# Altium PCB Cavend.PcbDoc
Units mm, origin at the board's own origin, x right, y up, seen from the top; angles counter-clockwise.
Board outline 40.25 x 38.39 mm, 2 copper layers (Top Layer, Bottom Layer); 37 components, 65 nets, 236 pads, 68 vias.
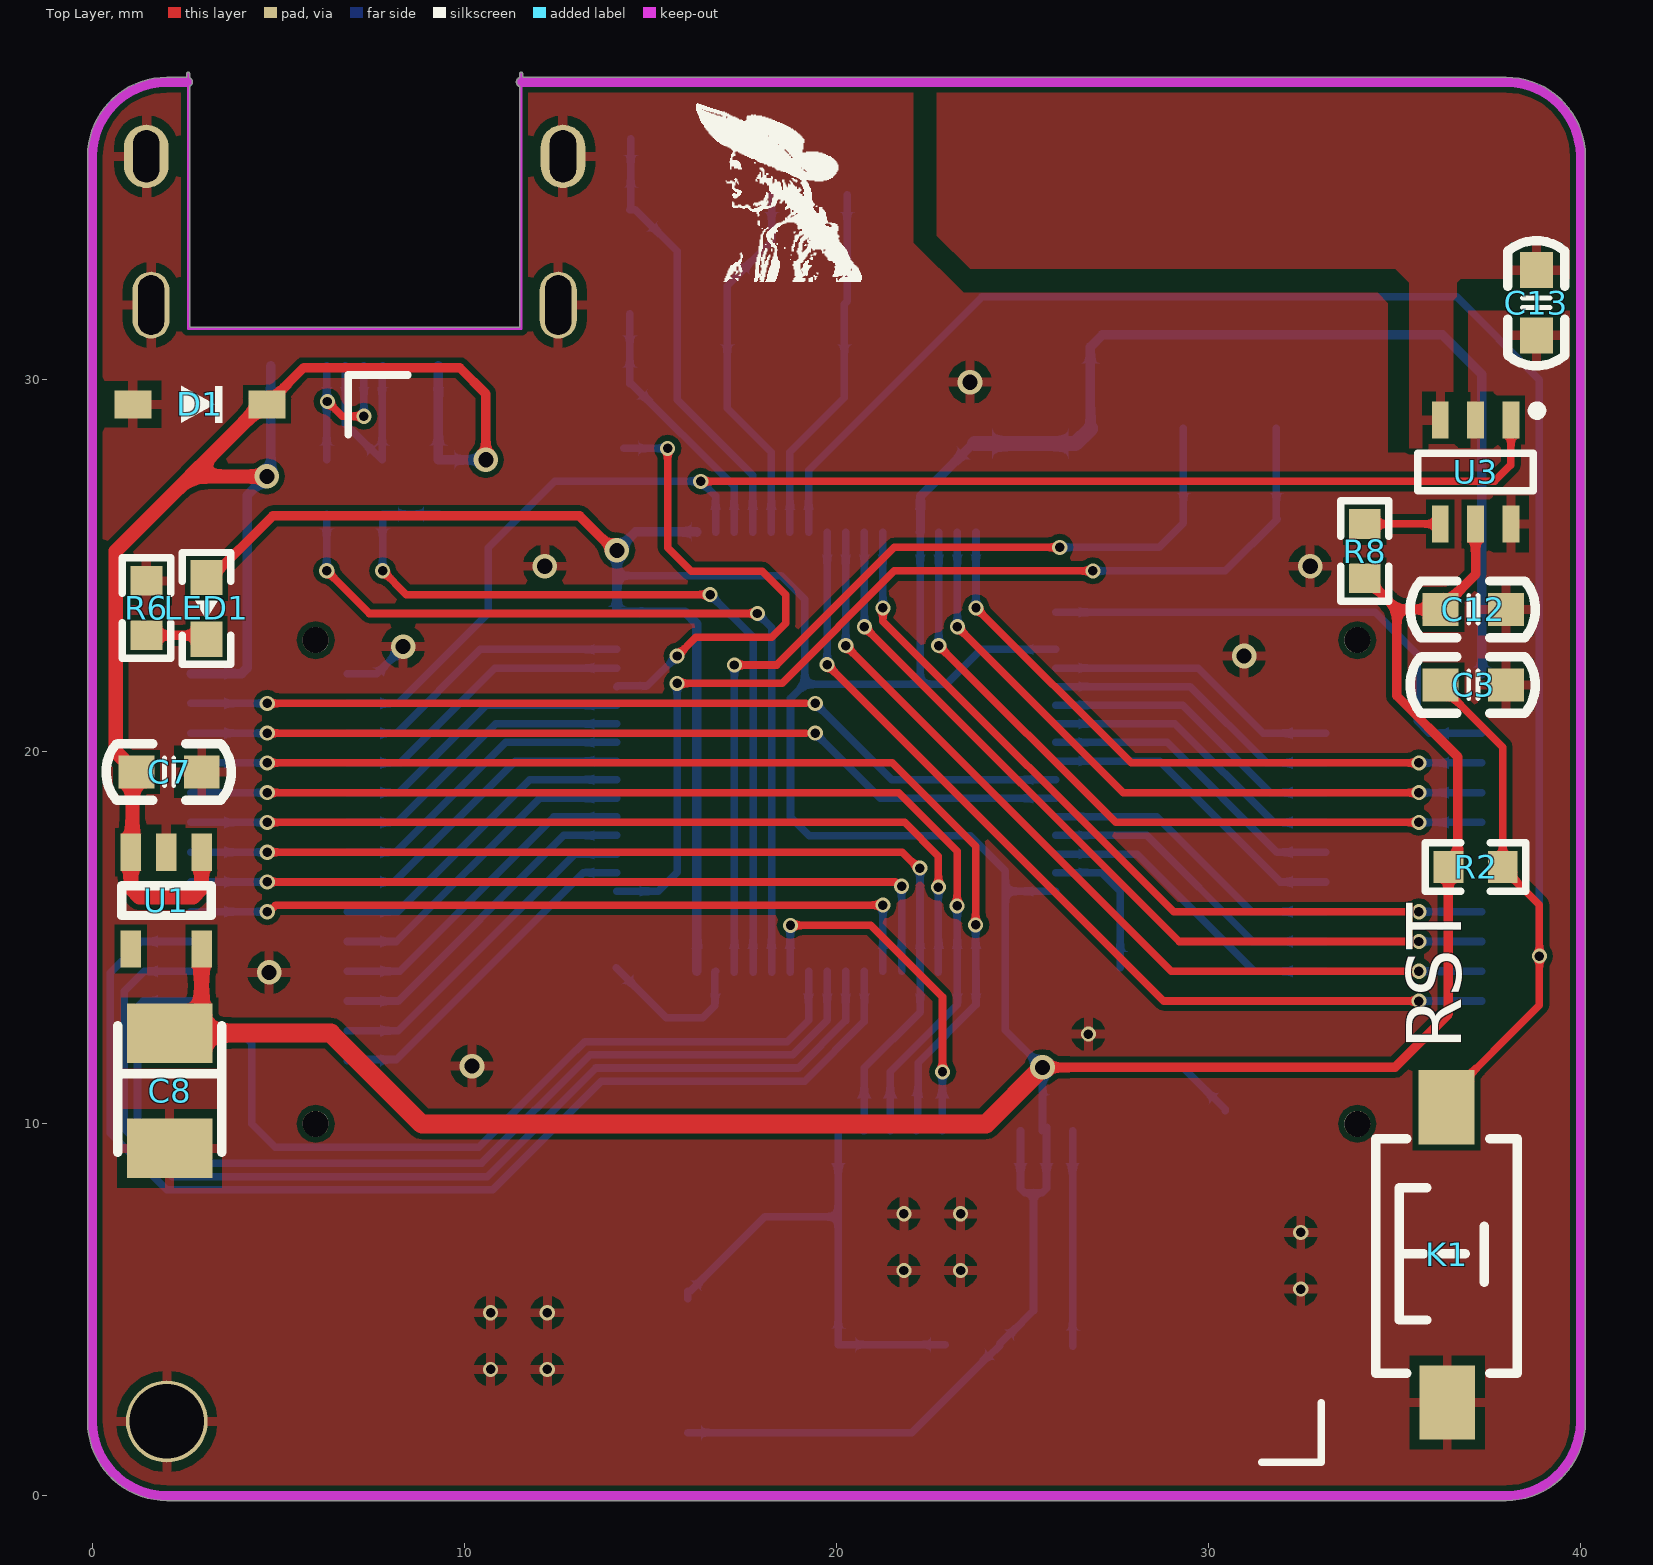
[diagram p0: Top Layer view]
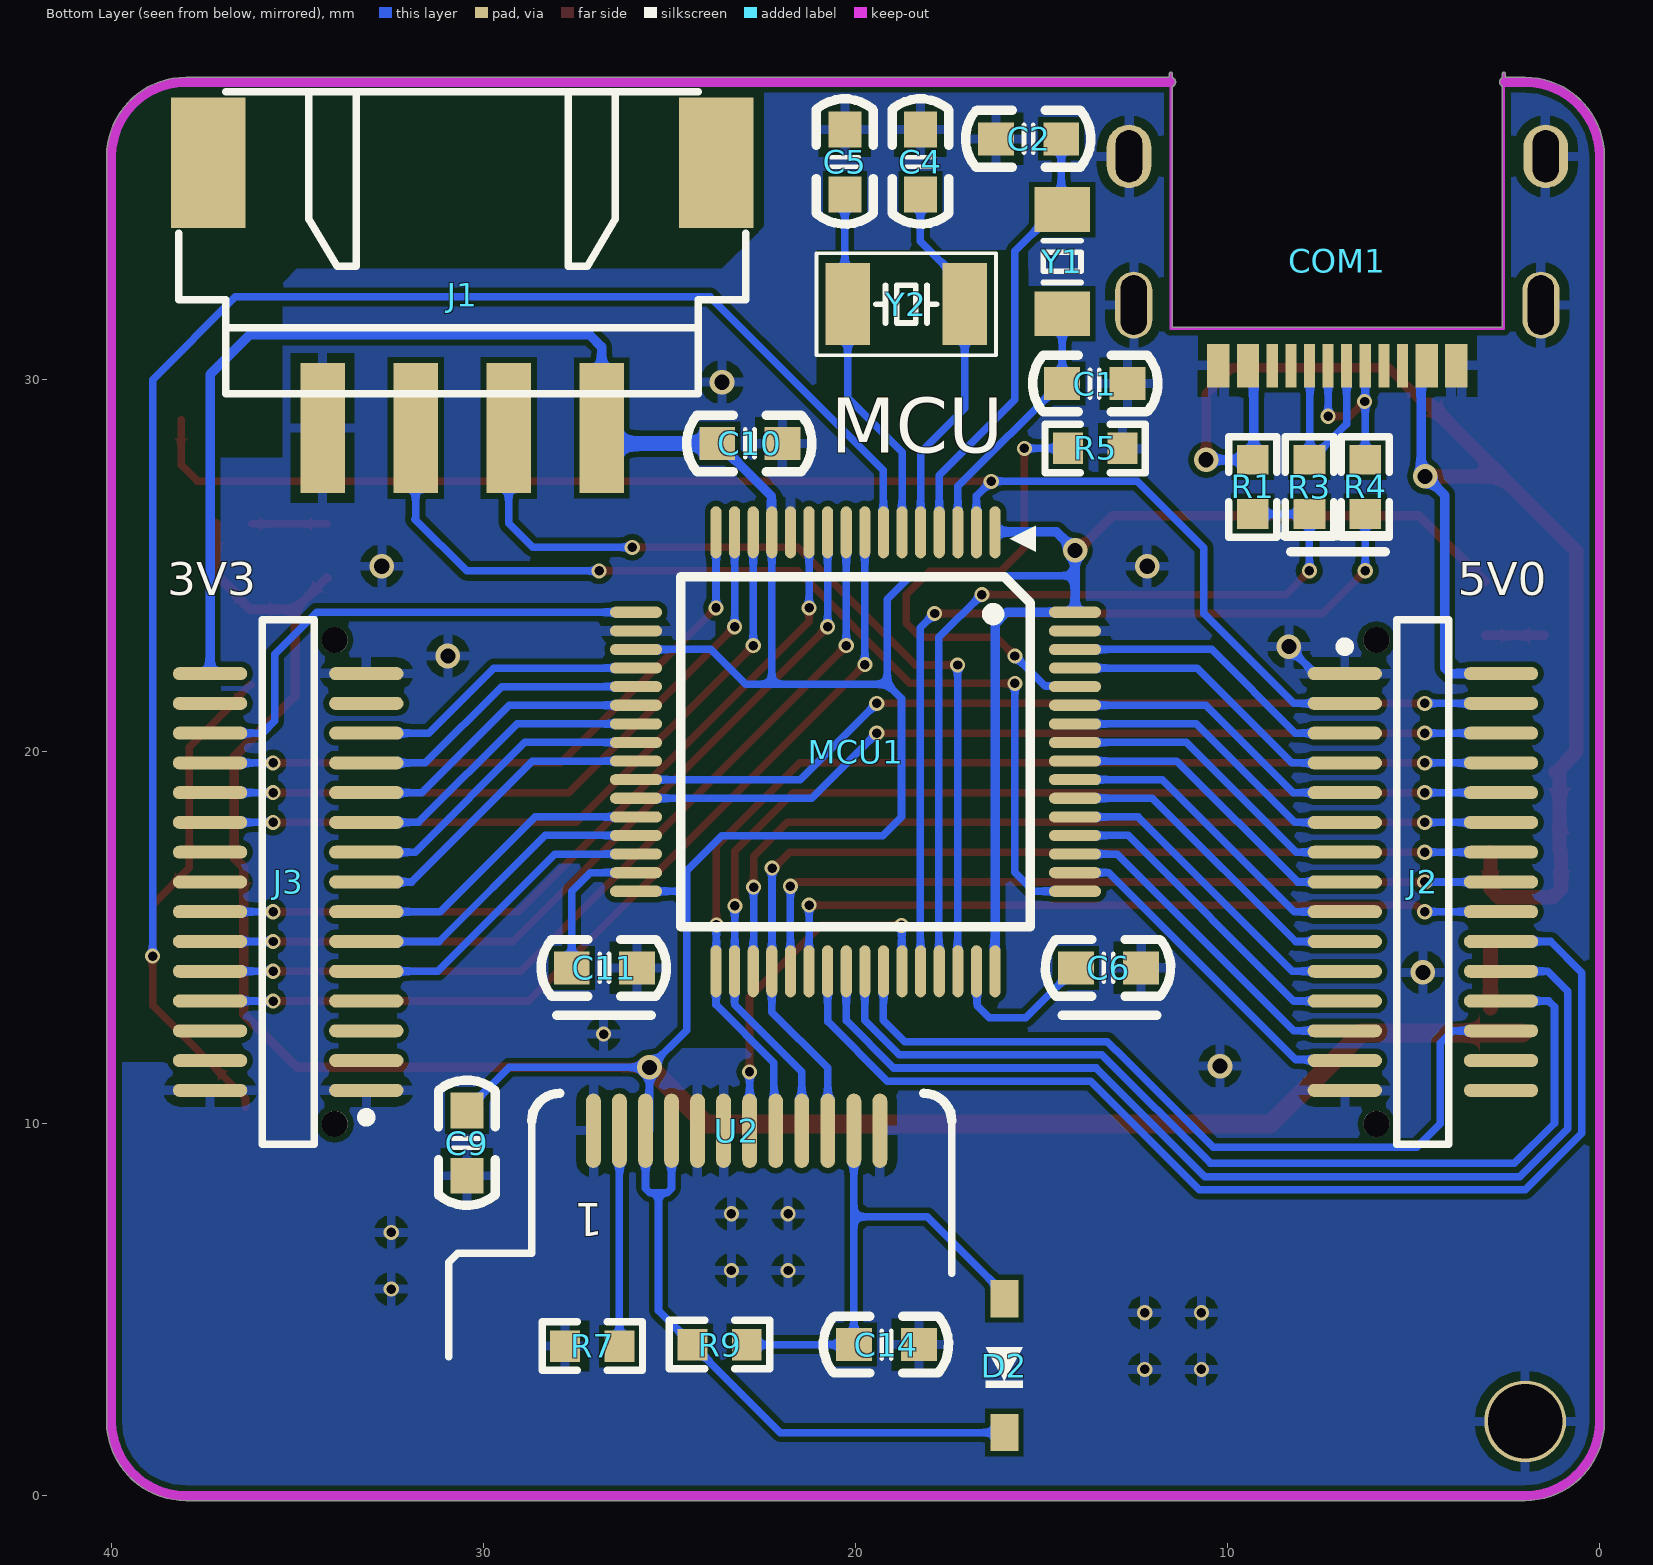
[diagram p1: Bottom Layer view, seen from below]
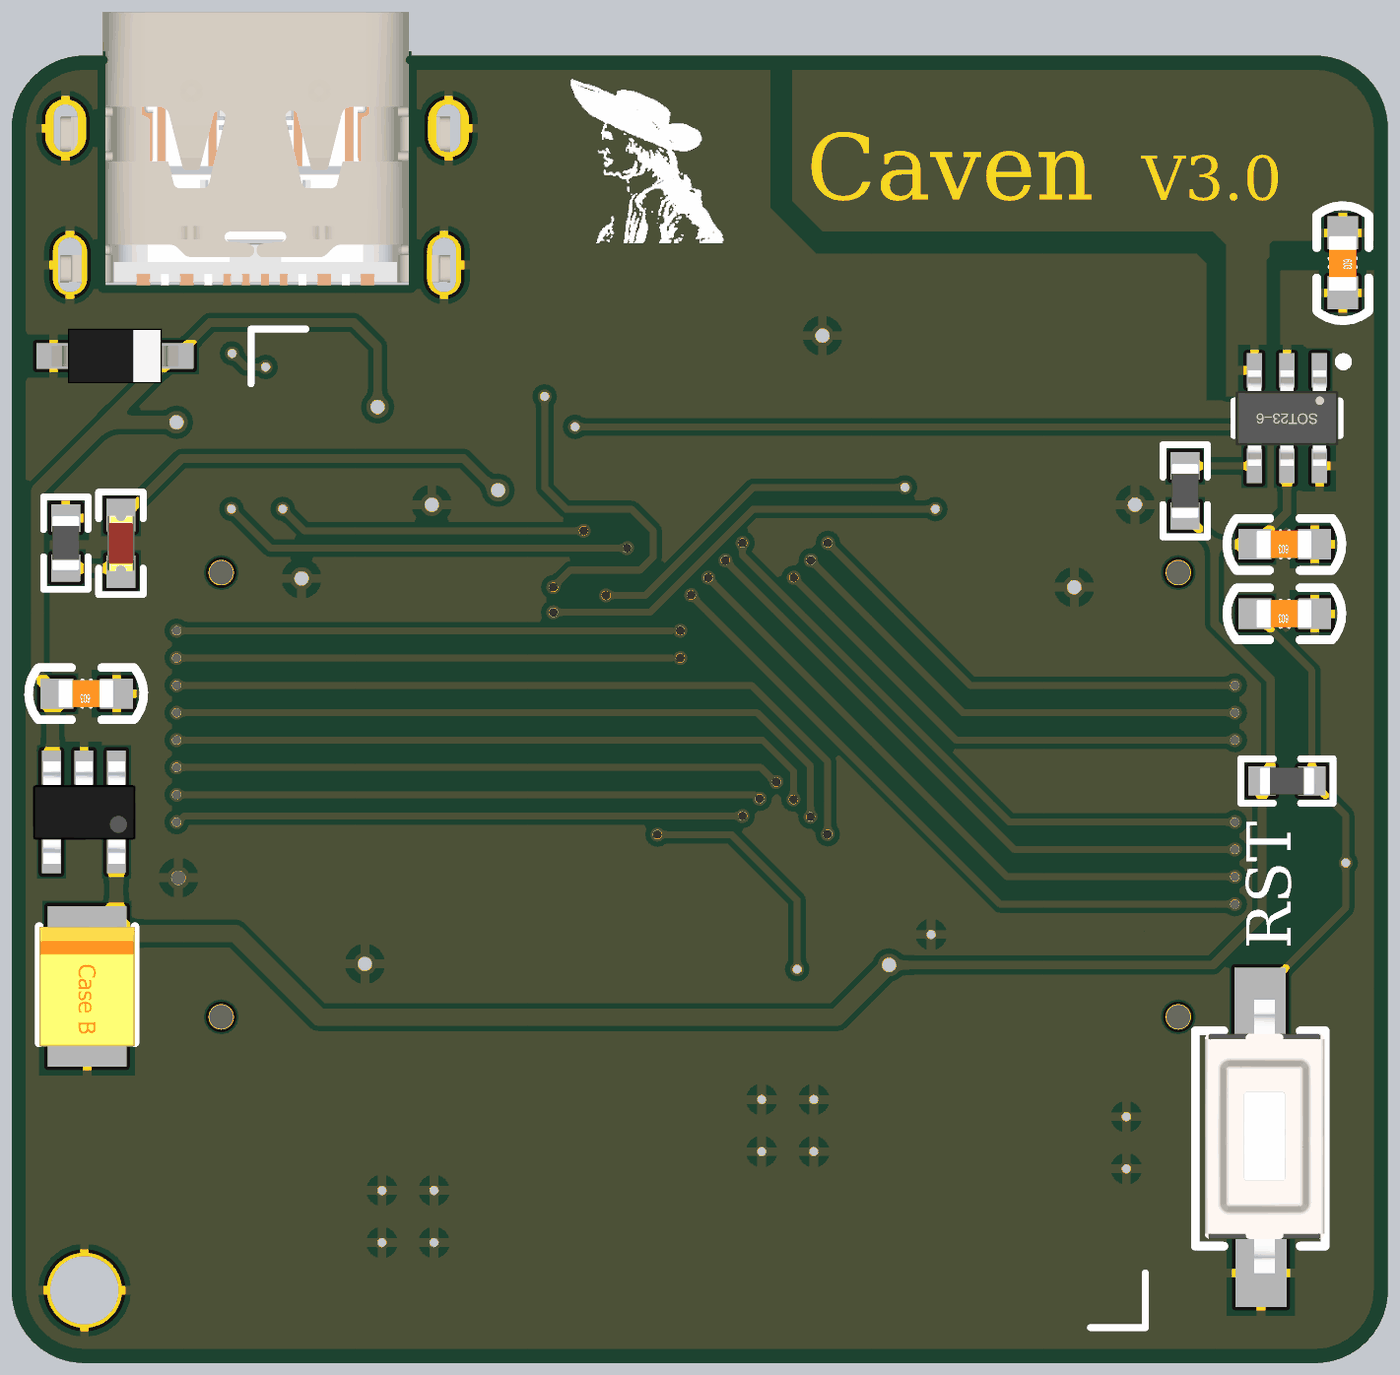
[diagram p2: 3D render of the assembled board from above, using the file's embedded part models]
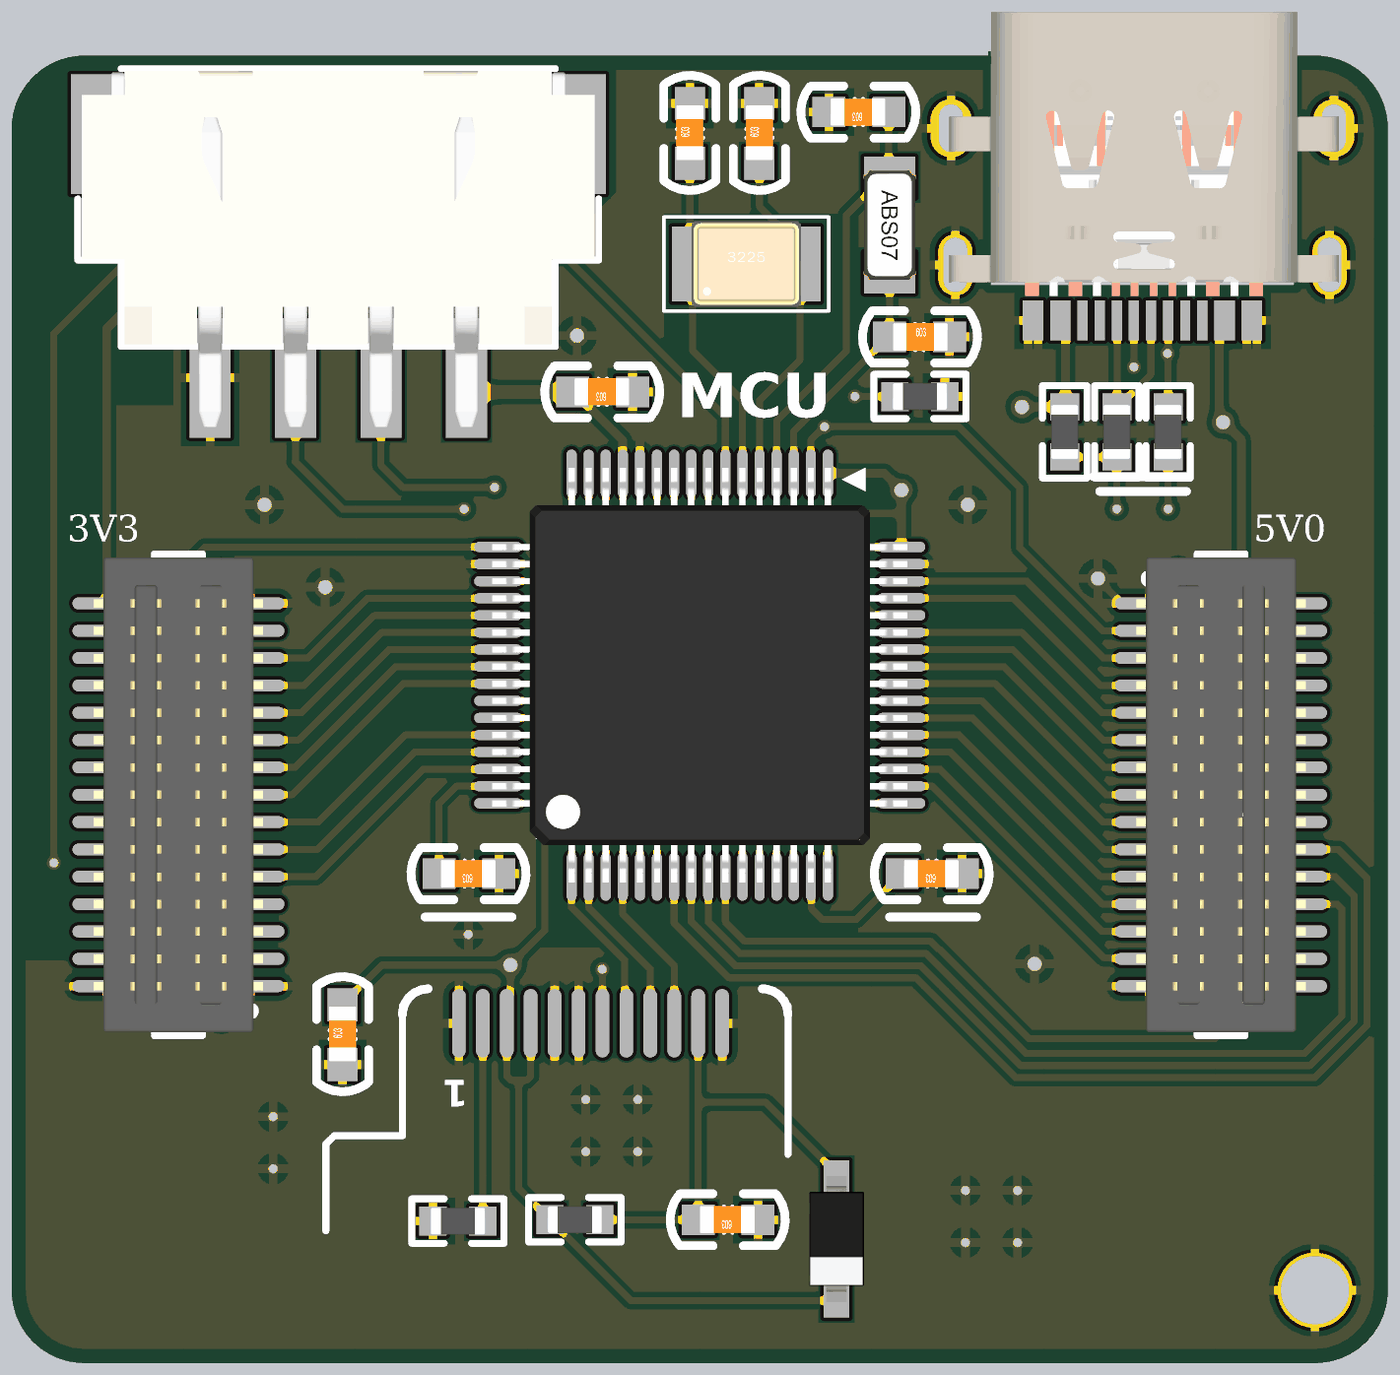
[diagram p3: 3D render of the assembled board from below, using the file's embedded part models]

## Layer stack, top to bottom
Top Solder: solder mask 0.0102, Solder Resist, Dk 3.5
Top Layer: signal copper 0.0356
Dielectric 1: dielectric 0.32, FR-4, Dk 4.8
Bottom Layer: signal copper 0.0356
Bottom Solder: solder mask 0.0102, Solder Resist, Dk 3.5

## Board outline
2,-0.127 cw(c2,2) -0.127,2 -0.127,36 cw(c2,36) 2,38.127 2.536,38.127 2.536,38.228 cw(c2.575,38.228) 2.613,38.228 2.613,38.115 cw(c2.559,38) 2.686,38 cw(c2.559,38) 2.613,37.885 2.613,31.408 11.485,31.408 11.485,37.879 cw(c11.525,38) 11.485,38.121 11.485,38.228 cw(c11.524,38.228) 11.562,38.228 11.562,38.127 38,38.127 cw(c38,36) 40.127,36 40.127,2 cw(c38,2) 38,-0.127

## Design rules (kind name [scope] priority, off if disabled: settings)
Clearance [All] p1: gap=0.152 ignorepadtopadclearanceinfootprint=TRUE
HoleToHoleClearance [All] p1: gap=0.102 allowstackedmicrovias=TRUE
MinimumSolderMaskSliver [All] p1: minsoldermaskwidth=0.025
PolygonConnect [All] p1: connectstyle=Relief reliefconductorwidth=0.254 reliefentries=4 polygonreliefangle="90 Angle" airgapwidth=0.254
RoutingVias [All] p1: holewidth=0.305 width=0.61 viastyle="Through Hole" minholewidth=0.254 minwidth=0.406 maxholewidth=0.711 maxwidth=1.27
SilkToSilkClearance [All] p1: silktosilkclearance=0
SilkToSolderMaskClearance [IsPad] p1: minsilkscreentomaskgap=0 clearancetoexposedcopper=TRUE
SolderMaskExpansion [All] p1: expansion=0.102 istentingtop=FALSE
Width [All] p1: maxlimit=0.762 minlimit=0.203 preferedwidth=0.203
26 further rules are at their usual default settings.

## Classes and differential pairs
component class MCU: C1 C2 C3 C4 C5 C6 C7 C8 C9 C10 C11 C12 C14 COM1 D1 D2 J1 J2 J3 K1 LED1 MCU1 R1 R2 R3 R4 R5 R6 R7 R9 U1 U2 U3 Y1 Y2

## Components (designator, comment, footprint, x,y, rotation, side; value= is the part's Value field where it differs from the comment)
C1 "10PF" CAP_0603 14.446,29.897 r180 bottom
C2 "10PF" CAP_0603 14.471,36.476 r0 bottom
C3 "100NF" CAP_0603 37.992,21.796 r180 top
C4 "22PF" CAP_0603 18.256,34.977 r90 bottom
C5 "22PF" CAP_0603 20.288,34.977 r90 bottom
C6 "10UF" CAP_0603 12.325,14.192 r0 bottom
C7 "100NF" CAP_0603 2.94,19.458 r180 top
C8 "100UF" CAP_3528_B 2.076,10.89 r90 top
C9 "100NF" CAP_0603 30.448,8.604 r90 bottom
C10 "100NF" CAP_0603 21.964,28.289 r0 bottom
C11 "10UF" CAP_0603 25.876,14.192 r0 bottom
C12 "100NF" CAP_0603 37.992,23.828 r180 top
C13 "22PF" CAP_0603 38.811,32.944 r270 top
C14 "4.7uF" CAP_0603 18.293,4.064 r0 bottom
COM1 "Type-C" USB-tYPE_C_C 1.449,31.954 r0 bottom
D1 "Diode_SMA" DIODE_SOD123 1.092,29.338 r0 top
D2 "Diode" SOD123 16,3.5 r90 bottom
J1 "P4" XH2.54-WS-4P 30.575,33.682 r0 bottom
J2 "30PIN" BTB_DOUBLE_30PIN_UP 5.05,22.75 r180 bottom
J3 "30PIN" BTB_DOUBLE_30PIN_UP 34.95,10.25 r0 bottom
K1 "key" KEY-A 36.422,6.504 r90 top
LED1 "LED_R/G/B/Y" LED_0603_R 3.067,23.856 r90 top
MCU1 "STM32F405RET6" LQFP_64_10X10 20,20 r0 bottom
R1 "1.5K" RESC_0603_2 9.323,27.118 r270 bottom
R2 "2K" RESC_0603_2 37.179,16.903 r0 top
R3 "22R" RESC_0603_2 7.799,27.118 r270 bottom
R4 "22R" RESC_0603_2 6.299,27.118 r270 bottom
R5 "10K" RESC_0603_2 13.557,28.155 r180 bottom
R6 "2K" RESC_0603_2 1.454,23.864 r90 top
R7 "20R" RESC_0603_2 27.076,4.025 r180 bottom
R8 "0R" RESC_0603_2 34.2,25.393 r270 top
R9 "4.7K" RESC_0603_2 23.654,4.064 r180 bottom
U1 "SPX3819M5-L" SOT23_5 1.985,15.999 r90 top
U2 "TFT_1.3_12Pin" LCD_1.3B 27.554,10.314 r180 top
U3 "TTP223" SOT-23-6 38.129,28.917 r270 top
Y1 "32.768KHz" XTAL_SMD_3215 14.446,33.174 r270 bottom
Y2 "8MHz" XTAL_3225 18.638,32.031 r180 bottom

## Footprints (in the part's own frame and the unit in brackets; to place one, negate y for a bottom-side part, rotate by r counter-clockwise, add the part's x,y. Pads: shape width x height; smd on the part's side, far side on the other; paste and mask are expansions set on the pad)
BTB_DOUBLE_30PIN_UP [mm] "0.8mm"
  round 0.7 hole 0.7: 0(-0.95,-12.75) 0(-0.95,0.25)
  oval 2x0.35 smd: 1(-1.8,-0.65) 2(-1.8,-1.45) 3(-1.8,-2.25) 4(-1.8,-3.05) 5(-1.8,-3.85) 6(-1.8,-4.65) 7(-1.8,-5.45) 8(-1.8,-6.25) 9(-1.8,-7.05) 10(-1.8,-7.85) 11(-1.8,-8.65) 12(-1.8,-9.45) 13(-1.8,-10.25) 14(-1.8,-11.05) 15(-1.8,-11.85) 16(2.4,-11.85) 17(2.4,-11.05) 18(2.4,-10.25) 19(2.4,-9.45) 20(2.4,-8.65) 21(2.4,-7.85) 22(2.4,-7.05) 23(2.4,-6.25) 24(2.4,-5.45) 25(2.4,-4.65) 26(2.4,-3.85) 27(2.4,-3.05) 28(2.4,-2.25) 29(2.4,-1.45) 30(2.4,-0.65)
  silkscreen extent -1.92,-13.3 1,0.8, body extent -2.18,-13.2 2.78,0.7, height 5.9
CAP_0603 [mil]
  rect 38x35 smd: 1(0,0) 2(69,0)
  silkscreen extent -31,-30 101,30, body extent 4,-16 67,16, height 12
CAP_3528_B [mm]
  rect 1.6x2.3 smd: 1(1.55,0) 2(-1.55,0)
  silkscreen extent -1.65,-1.4 1.75,1.4, body extent -1.75,-1.4 1.75,1.4, height 1.9
DIODE_SOD123 [mm]
  rect 1x0.75 smd: 1(0,0) 2(3.6,0)
  silkscreen extent 1.3,-0.5 2.4,0.5, body extent -0.05,-0.8 3.65,0.8, height 1.27
KEY-A [mm]
  rect 2x1.5 smd: 1(-3.996,0.005) 2(3.937,0.025)
  silkscreen extent -3.21,-1.87 3.09,1.93, body extent -4,-1.85 4,1.65, height 2.59
LCD_1.3B [mm]
  oval 0.4x2 smd far side: 1(0.508,0.5) 2(1.208,0.5) 3(1.908,0.5) 4(2.608,0.5) 5(3.308,0.5) 6(4.008,0.5) 7(4.708,0.5) 8(5.408,0.5) 9(6.108,0.5) 10(6.808,0.5) 11(7.508,0.5) 12(8.208,0.5)
  silkscreen extent -5.48,-19.81 20.68,9.41, body extent -5.48,-19.81 20.68,9.41, height 1
LED_0603_R [mm]
  rect 0.95x0.85 smd: 1(-0.83,0) 2(0.83,0)
  silkscreen extent -1.5,-0.65 1.5,0.65, body extent -0.81,-0.4 0.81,0.4, height 0.6
LQFP_64_10X10 [mm]
  oval 0.3x1.4 smd: 1(-3.75,-5.9) 2(-3.25,-5.9) 3(-2.75,-5.9) 4(-2.25,-5.9) 5(-1.75,-5.9) 6(-1.25,-5.9) 7(-0.75,-5.9) 8(-0.25,-5.9) 9(0.25,-5.9) 10(0.75,-5.9) 11(1.25,-5.9) 12(1.75,-5.9) 13(2.25,-5.9) 14(2.75,-5.9) 15(3.25,-5.9) 16(3.75,-5.9) 33(3.75,5.9) 34(3.25,5.9) 35(2.75,5.9) 36(2.25,5.9) 37(1.75,5.9) 38(1.25,5.9) 39(0.75,5.9) 40(0.25,5.9) 41(-0.25,5.9) 42(-0.75,5.9) 43(-1.25,5.9) 44(-1.75,5.9) 45(-2.25,5.9) 46(-2.75,5.9) 47(-3.25,5.9) 48(-3.75,5.9)
  oval 1.4x0.3 smd: 17(5.9,-3.75) 18(5.9,-3.25) 19(5.9,-2.75) 20(5.9,-2.25) 21(5.9,-1.75) 22(5.9,-1.25) 23(5.9,-0.75) 24(5.9,-0.25) 25(5.9,0.25) 26(5.9,0.75) 27(5.9,1.25) 28(5.9,1.75) 29(5.9,2.25) 30(5.9,2.75) 31(5.9,3.25) 32(5.9,3.75) 49(-5.9,3.75) 50(-5.9,3.25) 51(-5.9,2.75) 52(-5.9,2.25) 53(-5.9,1.75) 54(-5.9,1.25) 55(-5.9,0.75) 56(-5.9,0.25) 57(-5.9,-0.25) 58(-5.9,-0.75) 59(-5.9,-1.25) 60(-5.9,-1.75) 61(-5.9,-2.25) 62(-5.9,-2.75) 63(-5.9,-3.25) 64(-5.9,-3.75)
  silkscreen extent -4.85,-6.08 4.7,4.7, body extent -6.07,-6.07 6.07,6.07, height 1.62
RESC_0603_2 [mm]
  rect 0.8x0.85 smd: 1(-0.73,0) 2(0.73,0)
  silkscreen extent -1.35,-0.65 1.35,0.65, body extent -0.8,-0.4 0.8,0.4, height 0.38
SOD123 [mm]
  rect 1x0.75 smd: 1(-1.8,0) 2(1.8,0)
  silkscreen extent -0.6,-0.5 0.5,0.5, body extent -1.85,-0.8 1.85,0.8, height 1.27
SOT23_5 [mm]
  rect 1x0.55 smd: 1(1.3,-0.95) 2(1.3,0) 3(1.3,0.95) 4(-1.3,0.95) 5(-1.3,-0.95)
  silkscreen extent -0.4,-1.21 0.4,1.19, body extent -1.52,-1.51 1.48,1.49, height 1.3
SOT-23-6 [mm]
  rect 1x0.45 smd: 1(0,0) 2(0,-0.95) 3(0,-1.9) 4(2.794,-1.9) 5(2.794,-0.95) 6(2.794,0)
  silkscreen extent -0.38,-2.5 1.91,0.83, body extent -0.01,-2.45 2.8,0.55, height 1.15
USB-tYPE_C_C [mm]
  oval 1x1.8 hole 0.7 slot 1.6 at 90 deg: 1(0.127,-0.051) 2(11.073,-0.051)
  oval 1.2x1.7 hole 0.7 slot 1.4 at 90 deg: 3(0,-4.051) 4(11.2,-4.051)
  rect 0.3x1.168 smd: A1(2.25,1.574) A4(3.05,1.574) A5(4.35,1.574) A6(5.35,1.574) A7(5.85,1.574) A8(3.85,1.574) A9(8.15,1.574) A12(8.95,1.574) B1(8.65,1.574) B4(7.85,1.574) B5(7.35,1.574) B6(6.35,1.574) B7(4.85,1.574) B8(6.85,1.574) B9(3.35,1.574) B12(2.55,1.574)
  Keep-Out Layer lines w0.076: 1.126,-6.274 1.126,0.584 10.075,0.584 10.075,-6.274
  body extent -0.15,-7.44 11.25,0.86, height 2.27
XH2.54-WS-4P [mm] "长：15mm，宽：8mm，高：6.1mm"
  rect 2x3.5 smd: 0(-6.827,-2.15) 0(6.827,-2.15)
  rect 1.2x3.5 smd: 1(-3.75,4.981) 2(-1.25,4.981) 3(1.25,4.981) 4(3.75,4.981)
  silkscreen extent -7.62,-4.06 7.62,4.06, body extent -7.5,-4 7.5,6.42, height 6.05
XTAL_3225 [mm]
  rect 1.2x2.2 smd: 1(-1.574,0) 2(1.574,0)
  silkscreen extent -2.41,-1.37 2.41,1.37, body extent -1.6,-1.25 1.6,1.25, height 0.7
XTAL_SMD_3215 [mm]
  rect 1.2x1.5 smd: 1(-1.4,0) 2(1.4,0)
  silkscreen extent -0.56,-0.51 0.56,0.51, body extent -1.61,-0.76 1.61,0.76, height 0.91

## Part data
C1 C2 C4 C5 C6 C7 C9 C10 C11 C12 C13: library part CAP, "CAP  12~50V"
C3 C14: library part CAP_SDM, "CAP"
C8: library part CAP_TA, "CAP  6~12V  钽电容"
COM1: library part USB-type_c, "USB"
D1: library part Diode-SM, "Diode_肖特基"
D2: library part Diode-SOD, "开关二极管"
J1: library part SWD
J2 J3: library part BTB_DOUBLE_30PIN
K1: "Key"
LED1: library part LED, "LED"
MCU1: library part STM32f4_R, "MCU"
R1 R2 R3 R4 R5 R6 R7 R8 R9: library part RES_S, "RES 贴片"
U1: "DC-DC   3.3V  500ma"
U2: library part "LCD_1.3   T", "ST7789V-SPI"
U3: "触摸芯片"
Y1 Y2: library part XTAL, "CRYSTAL"

## Free pads (board coordinates)
  round 2.2 hole 2: 0(2,2)

## Via types
v1: diameter 0.406, hole 0.254, Top Layer to Bottom Layer, tented both sides, 57 vias
v2: diameter 0.66, hole 0.406, Top Layer to Bottom Layer, tented both sides, 11 vias

## Nets (pads, with @x,y where several pads share a name; then routed paths per layer and width w, separated by ;. In a path a pad name is that pad's centre, name@x,y a point inside that pad or via, vN(x,y) a via of type N, cw(c..) or ccw(c..) an arc to the next point about the centre after c; other vN are vias at no path point)
+5: C7.2 COM1.A4 COM1.A9 COM1.B4 COM1.B9 D1.2 J2.30 R1.1 U1.1 U1.3 | length 42.3
  Top Layer w0.254: D1.2 5.676,30.321 9.874,30.321 10.576,29.619 v2(10.576,27.848)
  Top Layer w0.381: U1.1 2.935,16.313 2.712,16.09 1.258,16.09 1.035,16.313 U1.3 1.074,17.339 1.074,19.345 C7.2 1.149,19.458 0.895,19.712 0.895,19.734 0.628,20 0.628,25.399 2.63,27.4 ; v2(4.692,27.4) 2.63,27.4 ; D1.2 4.567,29.338 2.63,27.4
  Bottom Layer w0.254: J2.30 4.01,22.1 4.159,22.249 4.159,26.892 4.667,27.4 4.667,27.51 4.799,27.642 COM1.B9 ; R1.1@9.299,27.848 COM1.B4 ; R1.1 v2(10.576,27.848)
A4988_DIR: J3.9 MCU1.24 | length 8.5
  Bottom Layer w0.203: MCU1.24 28.891,20.25 31.841,17.3 J3.9
A4988_STEP: J3.8 MCU1.25 | length 8.6
  Bottom Layer w0.203: MCU1.25 28.684,19.75 31.934,16.5 J3.8
BOOT0: MCU1.60 R5.1 | length 13.5
  Top Layer w0.203: v1(15.462,28.155) 15.462,25.488 16.097,24.853 18.002,24.853 18.637,24.218 18.637,23.456 18.256,23.075 16.217,23.075 v1(15.716,22.574)
  Bottom Layer w0.203: MCU1.60 14.119,21.769 14.911,21.769 v1(15.716,22.574) ; R5.1 v1(15.462,28.155)
BOOT1: J3.7 MCU1.28 | length 8.3
  Bottom Layer w0.203: MCU1.28 28.608,18.25 31.158,15.7 J3.7
D/C: MCU1.43 U2.7 | length 9.7
  Top Layer w0.203: v1(18.764,15.335) 20.923,15.335 22.851,13.407 v1(22.851,11.394)
  Bottom Layer w0.203: MCU1.43@18.758,14.077 v1@18.758,15.335 ; U2.7 v1@22.846,11.389
DAC_OUT1: J3.13 MCU1.20 | length 8
  Bottom Layer w0.203: MCU1.20 29.719,22.25 31.469,20.5 J3.13
DAC_OUT2: J3.12 MCU1.21 | length 8.1
  Bottom Layer w0.203: MCU1.21 29.512,21.75 31.562,19.7 J3.12
DN: COM1.A7 COM1.B7 R4.1 | length 5
  Top Layer w0.203: v1(6.318,29.415) 6.715,29.018 v1(7.299,29.018)
  Bottom Layer w0.203: R4.1 COM1.B7 ; v1(7.299,29.018) COM1.A7
DP: COM1.A6 COM1.B6 R3.1 | length 5.5
  Bottom Layer w0.203: COM1.A6 6.799,28.81 7.463,28.146 7.488,28.146 7.787,27.848 7.787,30.368 COM1.B6
GND: C1.2 C2.2 C3.1 C4.2 C5.2 C6.1 C7.1 C8.2 C9.1 C10.1 C11.1 C12.1 C13.2 C14.1 COM1.1 COM1.2 COM1.3 COM1.4 COM1.A1 COM1.A12 COM1.B1 COM1.B12 D1.1 J1.4 J2.1 J2.15 J3.1 J3.15 J3.30 K1.1 MCU1.12 MCU1.18 MCU1.63 pad.0 R5.2 R6.2 R7.1 U1.2 U2.1 U2.5 U2.6 U2.12 U3.2 U3.6 | length 1.8
  Bottom Layer w0.203: J2.1 7.648,22.1 8.35,22.802 v2(8.35,22.828)
  other v1: 10.703,3.397 12.227,3.397 10.703,4.921 12.227,4.921 32.48,5.556 21.812,6.057 23.336,6.057 32.48,7.08 21.812,7.581 23.336,7.581 26.77,12.412
  other v2: 10.204,11.55 4.75,14.072 30.956,22.574 12.16,24.987 32.734,24.987 23.59,29.933
M1_N1: J2.8 MCU1.56 | length 8.6
  Bottom Layer w0.203: J2.8 8.118,16.5 11.368,19.75 MCU1.56
M1_N2: J2.7 MCU1.57 | length 8.5
  Bottom Layer w0.203: J2.7 8.156,17.3 11.106,20.25 MCU1.57
M2_N1: J2.11 MCU1.53 | length 9
  Bottom Layer w0.203: J2.11 8.258,14.1 12.408,18.25 MCU1.53
M2_N2: J2.10 MCU1.54 | length 8.8
  Bottom Layer w0.203: J2.10 8.169,14.9 12.019,18.75 MCU1.54
M3_N1: J3.27 MCU1.8 | length 24.9
  Top Layer w0.203: v1(19.75,22.344) 28.794,13.3 v1(35.655,13.3)
  Bottom Layer w0.203: v1(19.75,22.344) MCU1.8 ; v1(35.655,13.3) J3.27
M3_N2: J3.26 MCU1.9 | length 23.8
  Top Layer w0.203: v1(20.25,22.852) 29.002,14.1 v1(35.655,14.1)
  Bottom Layer w0.203: v1(20.25,22.852) MCU1.9 ; v1(35.655,14.1) J3.26
M4_N1: J3.25 MCU1.10 | length 22.6
  Top Layer w0.203: v1(20.75,23.36) 29.21,14.9 v1(35.655,14.9)
  Bottom Layer w0.203: v1(20.75,23.36) MCU1.10 ; v1(35.655,14.9) J3.25
M4_N2: J3.24 MCU1.11 | length 21.7
  Top Layer w0.203: v1(21.25,23.868) 21.25,23.51 29.06,15.7 v1(35.655,15.7)
  Bottom Layer w0.203: v1(21.25,23.868) MCU1.11 ; v1(35.655,15.7) J3.24
MISO_2: J2.25 MCU1.35 | length 23.6
  Top Layer w0.203: v1(4.699,18.1) 21.834,18.1 22.742,17.192 v1(22.742,16.363)
  Bottom Layer w0.203: J2.25 v1(4.699,18.1) ; MCU1.35@22.742,14.077 v1(22.742,16.363)
MOSI_2: J2.24 MCU1.36 U2.10 | length 27.5
  Top Layer w0.203: v1(4.699,17.3) 21.771,17.3 22.2,16.871 v1(22.242,16.871)
  Bottom Layer w0.203: J2.24 v1(4.699,17.3) ; U2.10 20.722,9.814 20.669,9.867 20.746,9.944 20.746,11.5 22.25,13.004 MCU1.36 ; v1(22.242,16.871) 22.246,16.867 MCU1.36@22.246,14.104
NetC6_2: C6.2 MCU1.47 | length 4.3
  Bottom Layer w0.203: C6.2 15.424,12.846 16.401,12.846 16.731,13.176 16.731,14.081 MCU1.47
NetC11_2: C11.2 MCU1.31 | length 4
  Bottom Layer w0.203: MCU1.31 27.128,16.75 27.629,16.249 C11.2
NetLED1_1: LED1.1 R6.1 | length 1.6
  Top Layer w0.254: R6.1@1.488,23.126 LED1.1@3.067,23.126
NetR7_2: R7.2 U2.2 | length 5.8
  Bottom Layer w0.203: R7.2 U2.2
NetR8_1: R8.1 U3.4 | length 2
  Top Layer w0.203: R8.1 U3.4
NRST: C3.2 K1.2 MCU1.7 R2.2 | length 53.2
  Top Layer w0.203: C3.2 36.277,21.796 36.62,21.453 36.62,21.415 37.909,20.126 R2.2 37.909,16.878 38.896,15.891 v1(38.896,14.507) 38.896,13.19 36.397,10.691 K1.2
  Bottom Layer w0.203: MCU1.7 19.25,27.564 23.912,32.226 36.671,32.226 38.896,30.001 v1(38.896,14.507) v1@38.913,14.524
NSS_2: J2.27 MCU1.33 U2.8 | length 30.4
  Top Layer w0.203: v1(4.699,19.7) 21.504,19.7 23.742,17.462 v1(23.742,15.347)
  Bottom Layer w0.203: J2.27 v1(4.699,19.7) ; U2.8 22.146,9.82 22.193,9.867 22.184,9.876 22.184,10.705 22.193,10.714 22.193,11.645 23.75,13.202 MCU1.33 ; MCU1.33@23.742,14.077 v1(23.742,15.347)
NSS_2_2: J2.28 MCU1.27 | length 23.7
  Top Layer w0.203: v1(4.699,20.5) 19.177,20.5
  Bottom Layer w0.203: J2.28 v1(4.699,20.5) ; v1(19.431,20.5) 21.181,18.75 MCU1.27
NSS_2_3: J2.29 MCU1.26 | length 23.8
  Top Layer w0.203: v1(4.699,21.3) 19.177,21.3
  Bottom Layer w0.203: J2.29 v1(4.699,21.3) ; v1(19.431,21.3) 21.481,19.25 MCU1.26
PC10: J2.13 MCU1.51 | length 9.2
  Bottom Layer w0.203: J2.13 8.22,12.5 12.97,17.25 MCU1.51
PC11: J2.12 MCU1.52 | length 9.1
  Bottom Layer w0.203: J2.12 8.22,13.3 12.67,17.75 MCU1.52
PC13: J2.2 MCU1.2 U3.1 | length 37.7
  Top Layer w0.203: v1(16.351,27.266) 37.687,27.266 38.129,27.708 U3.1
  Bottom Layer w0.203: J2.2 8.219,21.3 10.636,23.717 10.636,25.486 12.423,27.273 16.351,27.273 16.75,26.874 MCU1.2
RES: C14.2 D2.2 R9.2 U2.11 | length 13.7
  Bottom Layer w0.203: D2.2 16,5.5 16.075,5.5 18.075,7.5 20.046,7.5 ; U2.11 20.046,7.5 ; R9.2 C14.2 20.046,7.5
SCK_2: J2.26 MCU1.34 U2.9 | length 29.5
  Top Layer w0.203: v1(4.699,18.9) 21.669,18.9 23.242,17.327 v1(23.242,15.855)
  Bottom Layer w0.203: J2.26 v1(4.699,18.9) ; U2.9 21.446,11.401 23.25,13.205 MCU1.34 ; v1(23.242,15.855) 23.246,15.851 MCU1.34@23.246,14.104
SCL_2: J3.6 MCU1.29 | length 8.4
  Bottom Layer w0.203: MCU1.29 28.346,17.75 31.196,14.9 J3.6
SDA_2: J3.5 MCU1.30 | length 8.6
  Bottom Layer w0.203: MCU1.30 28.084,17.25 31.234,14.1 J3.5
SWCLK: J1.3 MCU1.49 | length 27.3
  Top Layer w0.203: v1(15.716,21.838) 18.536,21.838 21.558,24.86 v1(26.892,24.86)
  Bottom Layer w0.203: MCU1.49 15.208,16.25 15.716,16.758 v1(15.716,21.838) ; v1(26.892,24.86) 30.455,24.86 31.845,26.25 31.825,26.27 J1.3
SWDIO: J1.2 MCU1.46 | length 24.5
  Top Layer w0.203: v1(17.258,22.332) 18.395,22.332 21.558,25.495 v1(26.003,25.495)
  Bottom Layer w0.203: MCU1.46@17.258,14.077 v1(17.258,22.332) ; v1(26.003,25.495) 28.035,25.495 28.677,25.495 29.325,26.143 J1.2
TM1_CH1: J2.19 MCU1.41 | length 26.5
  Bottom Layer w0.203: J2.19 1.362,13.3 1.213,13.151 1.213,10.016 2.295,8.934 10.458,8.934 13.379,11.855 18.825,11.855 19.75,12.78 MCU1.41
TM1_CH2: J2.18 MCU1.42 | length 21.9
  Bottom Layer w0.203: J2.18 3.946,12.5 4.286,12.16 4.286,10.001 4.921,9.366 10.382,9.366 12.998,11.982 13.003,11.982 13.232,12.211 18.678,12.211 19.25,12.783 MCU1.42
TM2_CH1: J2.14 MCU1.50 | length 9.3
  Bottom Layer w0.203: J2.14 6.878,11.728 8.172,11.728 13.194,16.75 MCU1.50
TM2_CH2: J2.9 MCU1.55 | length 8.7
  Bottom Layer w0.203: J2.9 8.207,15.7 11.757,19.25 MCU1.55
TM3_CH1: J3.11 MCU1.22 | length 8.2
  Bottom Layer w0.203: MCU1.22 29.305,21.25 31.655,18.9 J3.11
TM3_CH2: J3.10 MCU1.23 | length 8.3
  Bottom Layer w0.203: MCU1.23 29.098,20.75 31.748,18.1 J3.10
TM4_CH1: J2.6 MCU1.58 | length 8.3
  Bottom Layer w0.203: J2.6 8.194,18.1 10.844,20.75 MCU1.58
TM4_CH2: J2.5 MCU1.59 | length 8.2
  Bottom Layer w0.203: J2.5 8.232,18.9 10.582,21.25 MCU1.59
TM4_CH3: J2.4 MCU1.61 | length 8.3
  Bottom Layer w0.203: J2.4 8.27,19.7 10.82,22.25 MCU1.61
TM4_CH4: J2.3 MCU1.62 | length 8.2
  Bottom Layer w0.203: J2.3 8.181,20.5 10.431,22.75 MCU1.62
TM5_CH1: J3.21 MCU1.14 | length 19.6
  Top Layer w0.203: v1(22.75,22.852) 27.502,18.1 v1(35.655,18.1)
  Bottom Layer w0.203: v1(22.75,22.852) MCU1.14 ; v1(35.655,18.1) J3.21
TM5_CH2: J3.20 MCU1.15 | length 18.5
  Top Layer w0.203: v1(23.25,23.36) 27.71,18.9 v1(35.655,18.9)
  Bottom Layer w0.203: v1(23.25,23.36) MCU1.15 ; v1(35.655,18.9) J3.20
TM8_CH1: J2.23 MCU1.37 | length 21.4
  Top Layer w0.203: v1(4.699,16.5) 21.581,16.5 21.695,16.386 v1(21.75,16.386)
  Bottom Layer w0.203: J2.23 v1(4.699,16.5) ; MCU1.37 v1(21.75,16.386)
TM8_CH2: J2.22 MCU1.38 | length 20.5
  Top Layer w0.203: v1(4.699,15.7) 4.754,15.7 4.932,15.878 v1(21.25,15.878)
  Bottom Layer w0.203: J2.22 v1(4.699,15.7) ; MCU1.38 v1(21.25,15.878)
TM8_CH3: J2.21 MCU1.39 | length 31
  Bottom Layer w0.203: J2.21 1.311,14.9 0.476,14.065 0.476,9.747 2,8.223 10.763,8.223 13.684,11.144 19.144,11.144 20.75,12.75 MCU1.39
TM8_CH4: J2.20 MCU1.40 | length 28.7
  Bottom Layer w0.203: J2.20 1.4,14.1 0.857,13.557 0.857,9.869 2.147,8.579 10.611,8.579 13.532,11.5 18.972,11.5 20.25,12.777 MCU1.40
Touch: C13.1 U3.3
UART-RXD2: J3.18 MCU1.17 | length 13.8
  Bottom Layer w0.203: MCU1.17 34.479,23.75 35.611,22.618 35.611,20.828 35.939,20.5 J3.18
UART-TXD2: J3.19 MCU1.16 | length 17.4
  Top Layer w0.203: v1(23.75,23.868) 27.918,19.7 v1(35.655,19.7)
  Bottom Layer w0.203: v1(23.75,23.868) MCU1.16 ; v1(35.655,19.7) J3.19
USB_DM: MCU1.44 R4.2 | length 23.4
  Top Layer w0.203: v1(6.299,24.864) 7.446,23.717 v1(17.875,23.717)
  Bottom Layer w0.203: v1(6.299,24.864) R4.2 ; v1(17.875,23.717) 18.258,23.334 MCU1.44@18.258,14.077
USB_DP: MCU1.45 R1.2 R3.2 | length 22.7
  Top Layer w0.203: v1(7.799,24.864) 8.438,24.225 v1(16.605,24.225)
  Bottom Layer w0.203: v1(7.799,24.864) R3.2 R1.2 ; v1(16.605,24.225) 17.758,23.072 MCU1.45@17.758,14.077
VDD: C8.1 C9.2 C10.2 C12.2 D2.1 J1.1 J3.16 LED1.2 MCU1.1 MCU1.13 MCU1.19 MCU1.32 MCU1.48 MCU1.64 R2.1 R8.2 R9.1 U1.5 U2.3 U2.4 U3.5 | length 171.5
  Top Layer w0.254: U1.5 U1.5@2.935,14.924 ; LED1.2@3.067,24.586 3.092,24.586 4.847,26.341 13.095,26.341 14.025,25.411 v2(14.1,25.411) ; v2(25.538,11.518) 35.013,11.518 36.449,12.954 R2.1 36.703,17.157 36.703,19.863 35.061,21.505 35.061,23.828 ; R8.2 34.225,24.663 35.061,23.828 ; C12.2 35.061,23.828 ; C12.2@36.277,23.828 36.595,24.145 36.595,24.183 37.179,24.767 U3.5
  Top Layer w0.406: C8.1@2.935,13.113 U1.5
  Top Layer w0.508: C8.1 6.412,12.44 8.858,9.994 24.014,9.994 v2(25.538,11.518)
  Bottom Layer w0.203: 14.1,24.733 18.51,24.733 19.145,24.098 19.145,21.812 ; D2.1 22.019,1.7 24.06,3.741 24.085,3.741 24.384,4.039 R9.1 24.384,4.089 24.682,4.388 24.707,4.388 25.296,4.977 25.296,8.148 ; MCU1.13 22.25,21.812 ; U2.4 24.946,8.267 25.065,8.148 25.296,8.148 ; U2.3@25.538,9.814 v2(25.538,11.518) ; U2.3@25.646,9.906 U2.3 25.646,8.267 25.527,8.148 25.296,8.148 ; MCU1.32 24.538,16.25 ; MCU1.19 23.893,22.75 22.955,21.812 22.25,21.812 ; C9.2 30.448,10.395 30.105,10.738 30.085,10.738 29.305,11.518 v2(25.538,11.518) ; 19.145,21.812 22.25,21.812 ; 19.145,21.812 18.764,21.431 18.764,18.256 19.272,17.748 23.59,17.748 24.538,16.8 24.538,16.25 ; 24.538,16.25 24.538,12.518 v2(25.538,11.518)
  Bottom Layer w0.254: MCU1.48 16.25,23.437 15.937,23.75 MCU1.64 14.1,24.733 v2(14.1,25.411) 14.598,25.91 16.24,25.91 MCU1.1 ; MCU1.13 22.259,25.909 22.259,26.869 23.679,28.289 C10.2 ; J1.1 26.825,30.882 27.146,31.203 36.29,31.203 37.35,30.143 J3.16
  Bottom Layer w0.406: C10.2 23.724,28.282 26.428,28.282 26.825,28.679 J1.1
XTALA: C4.1 MCU1.5 Y2.2 | length 10.1
  Bottom Layer w0.203: MCU1.5 18.25,28.048 17.064,29.234 Y2.2 17.064,32.531 18.256,33.723 C4.1
XTALB: C5.1 MCU1.6 Y2.1 | length 9.7
  Bottom Layer w0.203: MCU1.6 18.75,28.048 20.212,29.51 Y2.1 20.288,32.107 C5.1
XTALC: C1.1 MCU1.3 Y1.2 | length 7.1
  Bottom Layer w0.203: Y1.2 C1.1 14.484,29.897 17.25,27.132 MCU1.3
XTALD: C2.1 MCU1.4 Y1.1 | length 12
  Bottom Layer w0.203: C2.1 14.471,34.599 Y1.1 14.596,34.574 15.716,33.454 15.716,29.466 17.75,27.432 MCU1.4
pads on no net: COM1.A5 COM1.A8 COM1.B5 COM1.B8 J1.0 J2.0 J2.16 J2.17 J3.0 J3.2 J3.3 J3.4 J3.14 J3.17 J3.22 J3.23 J3.28 J3.29 U1.4

## Polygon pours and split planes (outlines as drawn)
GND on Top Layer "GND_L01_P008" (solid, remove dead copper, pour order 8): -7.651,44.397 45.349,44.397 45.349,-3.603 -7.651,-3.603
Touch on Top Layer "TOUCH_L01_P007" (solid, remove dead copper, pour order 7): 36.671,28.155 36.671,32.6 36.786,32.715 40.354,32.715 40.354,37.553 39.465,38.442 22.701,38.442 22.701,33.87 23.59,32.981 35.02,32.981 35.401,32.6 35.401,28.155
GND on Bottom Layer "GND_L02_P006" (solid, remove dead copper, pour order 6): -5.239,45.297 47.761,45.297 47.761,-2.703 -5.239,-2.703

## Keep-outs
Keep-Out Layer:
  lines w0.254: 2.559,38 2,38 ccw(c2,36) 0,36 0,2 ccw(c2,2) 2,0 38,0 ccw(c38,2) 40,2 40,36 ccw(c38,36) 38,38 11.525,38

## Other copper
Top Layer:
  pour cut-out: 22.701,38 22.701,33.87 23.59,32.981 35.02,32.981 35.401,32.6 35.401,28.038 34.823,28.038 34.823,32.055 34.544,32.334 23.419,32.334 22.066,33.687 22.066,38
  pour cut-out: 36.982,29.671 36.982,31.852 39.846,31.852 39.846,32.461 36.906,32.461 36.576,32.131 36.576,29.671
Bottom Layer:
  pour cut-out: 38.608,11.659 40.64,11.659 40.64,12.421 38.483,12.421 38.422,12.359
  pour cut-out: 37.052,21.932 37.052,21.297 37.687,21.297 37.814,21.17 37.941,21.297 37.941,21.932
  pour cut-out: 22.447,38.442 39.465,38.442 40.354,37.553 40.354,27.901 37.179,27.901 35.401,27.901 35.401,32.6 35.02,32.981 23.59,32.981 22.447,34.124
  pour cut-out: 23.368,13.026 24.103,13.026 24.733,12.026 22.955,12.026
  pour cut-out: 15.353,33.496 21.05,33.496 21.05,29.432 15.335,29.432
  pour cut-out: 36.548,21.304 38.83,21.292 38.83,11.659 36.562,11.664
  pour cut-out: 21.25,24.884 23.75,24.884 23.768,24.866 23.768,22.447 21.253,22.447
  pour cut-out: 1.848,22.104 3.442,22.096 3.442,12.461 1.862,12.464
  pour cut-out: 32.31,20.5 32.318,20.491 33.902,20.491 33.902,11.652 33.899,11.655 32.323,11.655

## Silkscreen, mask and mechanical layers (free items; w line width, h text height)
Top Overlay:
  drawing of 789 lines, arcs and shapes, not listed
  text "RST" at 37.283,11.985 h2.54 r90
Bottom Overlay:
  lines w0.254: 5.683,25.808 8.477,25.808 ; 5.759,25.376 8.299,25.376 ; 11.906,12.922 14.446,12.922 ; 25.495,12.922 28.035,12.922
  text "MCU" at 20.669,27.55 h2.54
  text "5V0" at 3.806,23.916 h1.52
  text "3V3" at 38.506,23.916 h1.52
Top Solder:
  text "Caven" at 23.118,33.919 h3.81
  text "V3.0" at 32.918,33.907 h2.54
Mechanical 15:
  lines w0.254: -5.62,0 2,0 ; -5.62,38 2,38 ; -3.462,10 6,10 6,-2.89 ; 0,-5.62 0,2 ; 2,-1.441 2,2 ; 34,-2.89 34,10 ; 40,-5.62 40,2
  lines w0.508: 6,10 6,6 2,2 30.981,2 34,5.019 34,10
  text "编号放正面谢谢！！" at 8.479,42.91 h2.54
  text "38mm" at -5.135,2.186 h2.54 r90
  text "10mm" at -1.448,2.002 h2.03 r90
  text "4mm" at 0.732,-2.953 h2.03
  text "28mm" at 6.828,-2.936 h2.03
  text "40mm" at 3.272,-5.919 h2.54

## Text inside footprints (layer, text, board x,y; h text height)
U2: Bottom Overlay "1" at 26.783,8.154 h1.52 r180